# Altium PCB XTRXr5.PcbDoc (part 4 of 5) (continued)
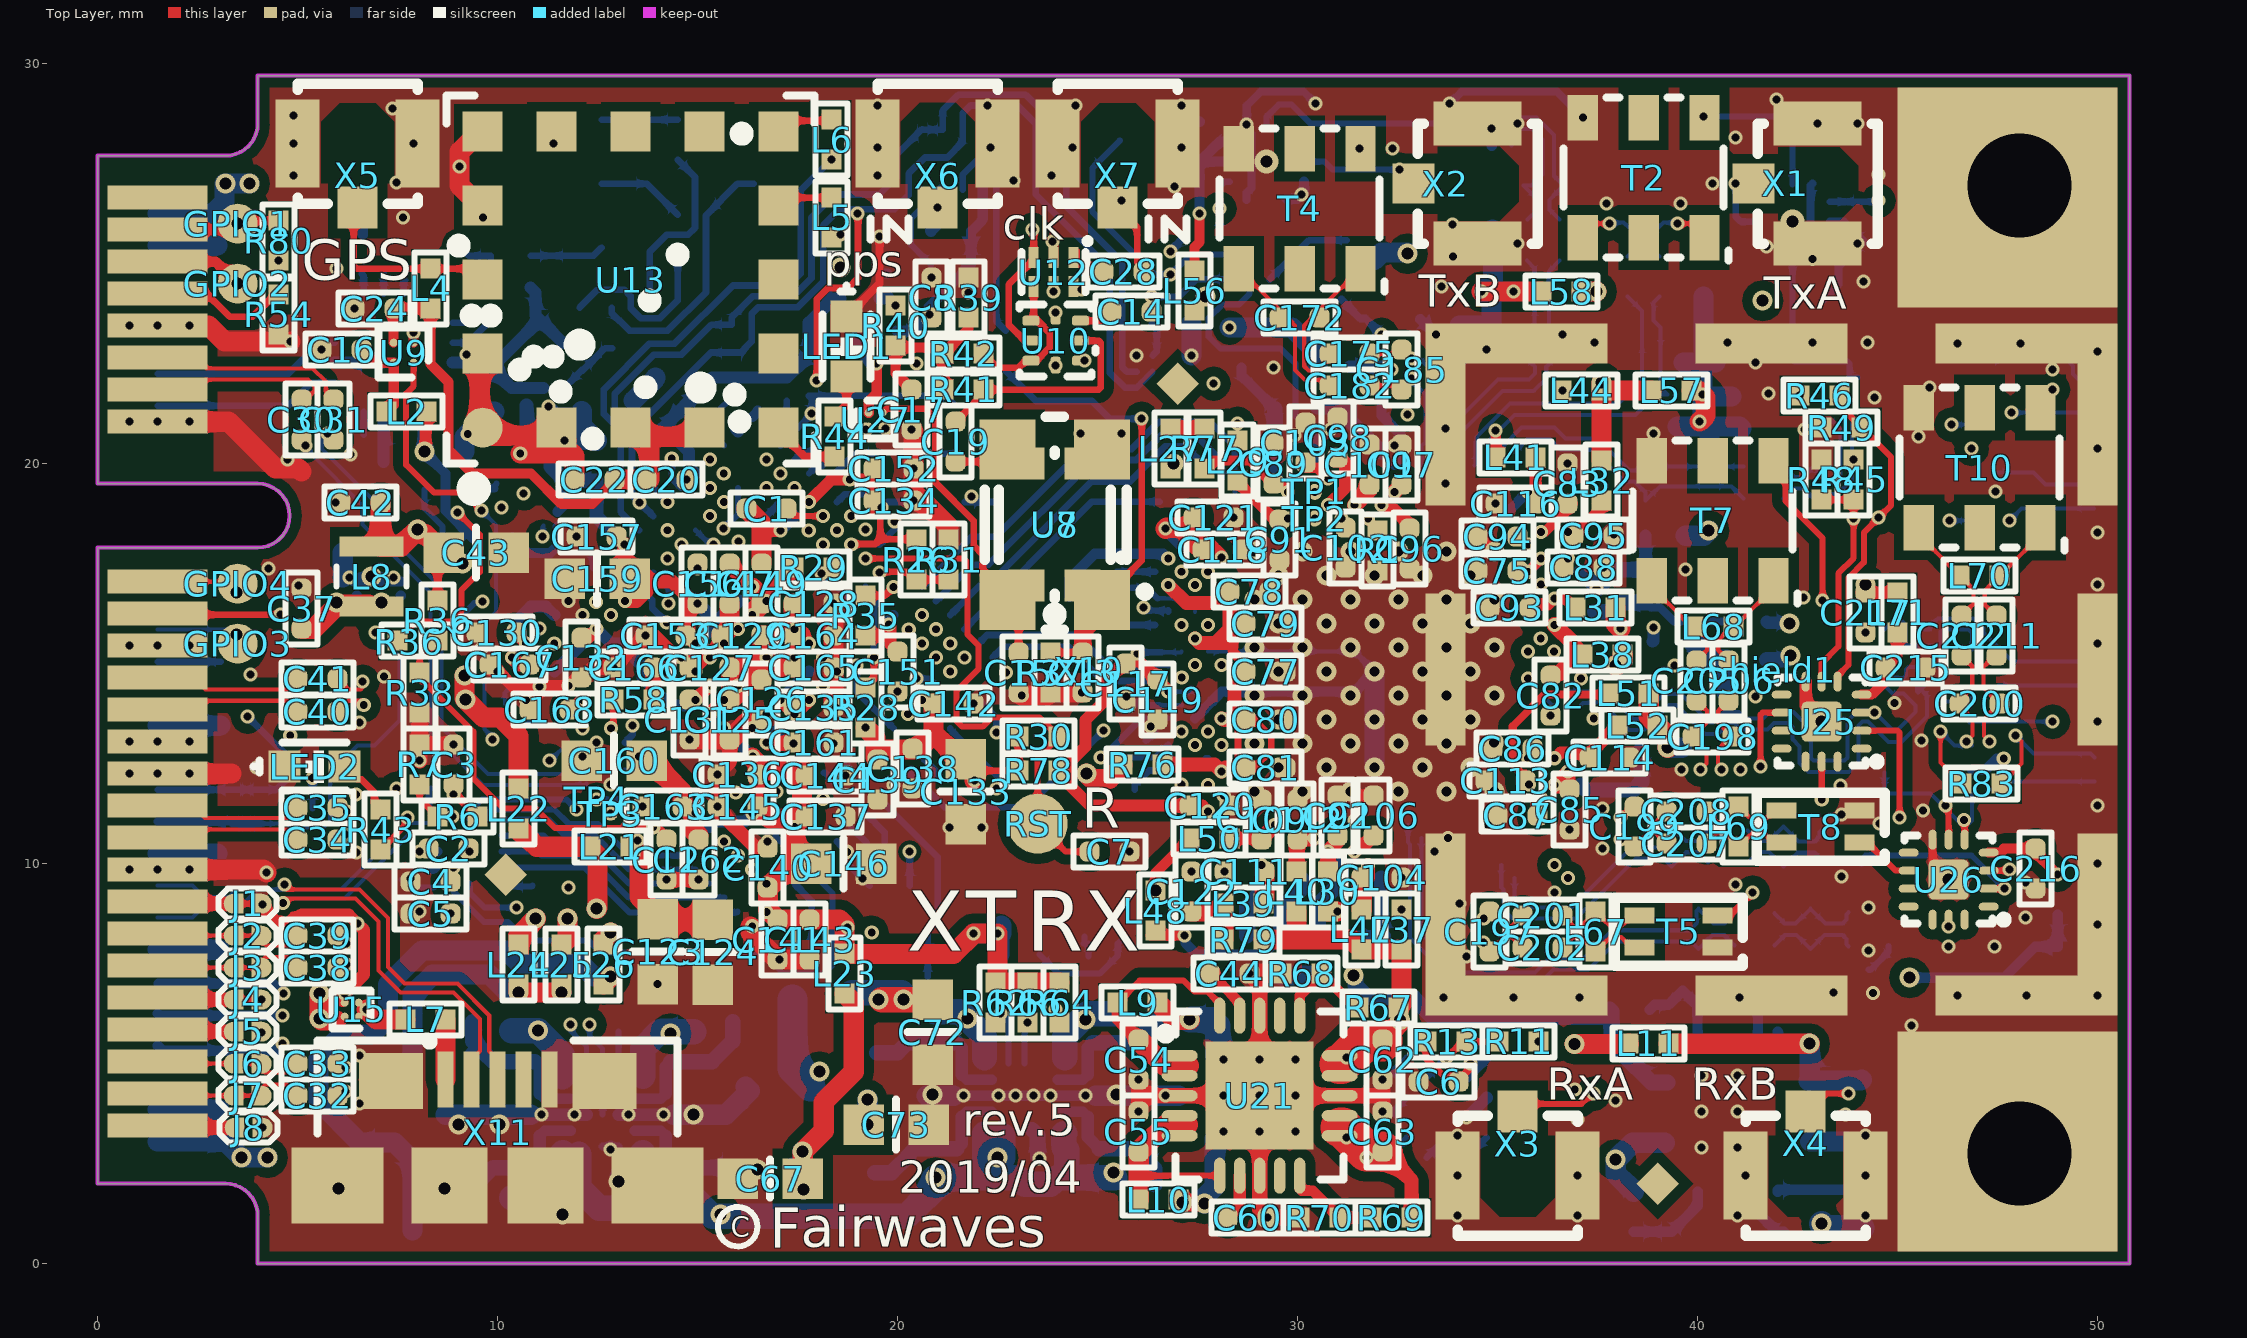
[diagram p0: Top Layer view]
## Nets (pads, with @x,y where several pads share a name; then routed paths per layer and width w, separated by ;. In a path a pad name is that pad's centre, name@x,y a point inside that pad or via, vN(x,y) a via of type N, cw(c..) or ccw(c..) an arc to the next point about the centre after c; other vN are vias at no path point) (continued)
  Bottom Layer w0.254: U29.A2@11.492,18.8 11.675,18.983 C158.1@11.675,19.575
  Bottom Layer w0.35: 10.725,21.45 10.725,20.875 C154.1@10.8,20.8 10.8,20.661 11.327,20.135 11.327,19.923 C158.1@11.675,19.575 C155.1@12.475,19.575 12.475,18.675 13.168,17.982 U1.K1@13.182,17.982 ; U1.J7@14.95,15.507 15.471,16.029 ; v1(15,16.5) 15.471,16.029 ; U1.M7@16.01,16.568 U1.L7@15.657,16.214 ; 15.471,16.029 U1.L7@15.657,16.214 ; 15.471,16.029 U1.L7@15.657,16.214
NetC169_1: C169.1 L55.1 U23.8 U23.9 | length 3.8
  Bottom Layer w0.2: 43.125,24.075 43.525,24.475 43.525,24.925 C169.1@44.15,25.55 ; U23.9@43.305,25.55 U23.9@43.335,25.55 C169.1@44.15,25.55 ; U23.8@43.305,26.05 U23.8@43.335,26.05 43.663,26.05 44.106,25.606 44.156,25.556 44.163,25.55 C169.1@44.15,25.55
NetC170_1: C170.1 L56.1 U24.8 U24.9 | length 4.2
  Top Layer w0.25: 27.425,25.075 27.425,25.421 27.55,25.546 v1(27.55,26.25)
  Bottom Layer w0.25: v1(27.55,26.25) C170.1@27.55,27.55 ; U24.8@28.295,27.55 U24.8@28.265,27.55 C170.1@27.55,27.55 ; U24.9@28.295,28.05 U24.9@28.265,28.05 28.05,28.05 C170.1@27.55,27.55
NetC183_1: C183.1 C189.1 C191.1 C193.2 L57.2 L59.1 L61.1 L63.1 L65.1 | length 8.5
  Top Layer w0.5: L57.2@39.85,21.825 40.025,21.825 v1(40.125,21.725) 40.2,21.65 40.2,21.2 v1(40.05,21.05)
  Bottom Layer w0.5: L65.1@39.5,20.925 39.925,20.925 ; L59.1@39.65,22.525 40.1,22.525 ; C183.1@40.15,24.175 40.15,22.825 C189.1@40.45,22.525 40.1,22.525 ; L63.1@40.3,20.425 40.3,20.925 ; C191.1@40.85,21.675 40.175,21.675 v1(40.125,21.725) ; C193.2@41.1,20.875 41.05,20.925 40.3,20.925 ; 39.925,20.925 40.3,20.925 ; 39.925,20.925 v1(40.05,21.05) v1@40.125,21.125 ; 40.1,22.525 40.125,22.5 v1(40.125,21.725) ; v1@40.125,21.125 40.3,20.95 40.3,20.925 ; v1@40.125,21.125 v1(40.125,21.725)
NetC184_1: C184.1 C190.1 C192.1 C194.2 L58.2 L60.1 L62.1 L64.1 L66.1 | length 7.2
  Top Layer w0.5: v1(34.6,24.3) v1(35.4,24.3) L58.2@36.1,24.3
  Bottom Layer w0.5: L60.1@33.925,22 33.925,22.55 34.053,22.678 34.053,23.447 34.05,23.45 L66.1@34.85,23.45 34.85,24.05 v1(34.6,24.3) ; C184.1@34.875,25.85 34.875,25.058 34.883,25.05 34.883,24.583 v1(34.6,24.3) ; v1(35.4,24.3) v1(34.6,24.3)
NetC215_2: C215.2 L71.1 U25.4 | length 2
  Top Layer w0.25: U25.4@44.1,14.225 44.35,14.225 44.7,14.575 C215.2@44.7,14.9 45,15.2 L71.1@45,15.725
NetC216_2: C216.2 L72.1 U26.4 | length 2.1
  Top Layer w0.25: U26.4@47.275,10.275 47.575,10.275 47.65,10.35 47.65,10.375 C216.2@48.45,10.375 48.45,10.275 v1(49,9.725)
NetC219_2: C219.2 U5.8 | length 0.9
  Bottom Layer w0.15: U5.8@22.125,28.35 22.125,28.2 22.175,28.15 C219.2@22.9,28.15
NetC220_2: C220.2 L74.2 U30.5 | length 8.7
  Layer 3 w0.102: v1(5.375,12.14) 5.775,12.54 5.775,14.553 6.262,15.04 7.33,15.04 8.84,16.55 v1(9.625,16.55)
  Bottom Layer w0.102: L74.2@9.125,16.225 9.142,16.225 L74.2@9.15,16.217
  Bottom Layer w0.15: C220.2@5.375,11.375 v1(5.375,12.14) ; L74.2@9.15,16.217 9.15,16.25 9.411,16.511 9.586,16.511 v1(9.625,16.55)
NetJ5_1: J5.1 X10.45 | length 1.9
  Top Layer w0.35: X10.45@1.5,5.85 1.55,5.8 J5.1@3.4,5.8
NetJ8_1: J8.1 X10.51 | length 1.9
  Top Layer w0.35: X10.51@1.5,3.45 1.55,3.4 J8.1@3.425,3.4
NetJ9_1: J9.1 J9.2 U30.6 X10.30 | length 3.5
  Bottom Layer w0.17: X10.30@1.5,11.85 J9.2@3.375,11.85 J9.2@3.5,11.85 J9.1@3.95,11.85 J9.1@4.075,11.85 4.465,11.85 U30.6@4.815,12.2
NetJ10_1: J10.1 J10.2 U30.4 X10.32 | length 5.7
  Bottom Layer w0.102: J10.1@4.075,11 4.724,11 4.824,10.9 5.643,10.9 5.811,11.068 5.811,12.126 5.885,12.2 U30.4@5.935,12.2
  Bottom Layer w0.2: X10.32@1.5,11.05 3.325,11.05 J10.2@3.375,11 J10.2@3.5,11 J10.1@3.95,11 J10.1@4.075,11
NetL5_2: L5.2 U13.10 | length 1.5
  Top Layer w0.17: U13.10@16.95,26.45 17.15,26.65 L5.2@18.35,26.65
NetL6_2: L6.2 U13.9 | length 1.5
  Top Layer w0.17: U13.9@16.95,28.3 17.225,28.575 18.3,28.575 L6.2@18.35,28.625
NetL7_1: L7.1 X11.1 | length 1.5
  Top Layer w0.5: X11.1@8.7,4.6 L7.1@8.7,6.1
NetL13_1: L13.1 U19.A4 U19.B4 | length 3.9
  Bottom Layer w0.254: U19.B4@13.45,4.125 U19.A4@13.825,4.125 14.075,4.125 14.2,4.25
  Bottom Layer w0.305: 14.2,4.25 14.2,4.925 14.325,5.05
  Bottom Layer w0.381: 14.325,5.05 15.363,5.05 15.875,5.562 L13.1@15.875,6.05
NetL14_1: L14.1 U19.A2 U19.B2 | length 3.1
  Bottom Layer w0.254: U19.B2@13.425,3.325 U19.A2@13.825,3.325 14.075,3.325 14.2,3.2
  Bottom Layer w0.305: 14.2,3.2 14.2,2.691 14.491,2.4
  Bottom Layer w0.381: 14.491,2.4 L14.1@15.875,2.4
NetL15_1: L15.1 U19.F4 U19.G4 | length 3.9
  Bottom Layer w0.254: 11.05,4.25 11.175,4.125 U19.G4@11.425,4.125 U19.F4@11.8,4.125
  Bottom Layer w0.305: 10.925,5.05 11.05,4.925 11.05,4.25
  Bottom Layer w0.381: L15.1@9.375,6.05 9.375,5.562 9.887,5.05 10.925,5.05
NetL16_1: L16.1 U19.F2 U19.G2 | length 3.9
  Bottom Layer w0.254: 11.05,3.2 11.175,3.325 U19.G2@11.425,3.325 U19.F2@11.825,3.325
  Bottom Layer w0.305: 10.925,2.4 11.05,2.525 11.05,3.2
  Bottom Layer w0.381: L16.1@9.375,1.4 9.375,1.888 9.887,2.4 10.925,2.4
NetL17_1: L17.1 U20.A4 U20.B4 | length 3.9
  Bottom Layer w0.254: U20.B4@24,4.6 U20.A4@24.375,4.6 24.625,4.6 24.75,4.725
  Bottom Layer w0.305: 24.75,4.725 24.75,5.4 24.875,5.525
  Bottom Layer w0.381: 24.875,5.525 25.925,5.525 26.45,6.05 L17.1@26.45,6.475
NetL18_1: L18.1 U20.A2 U20.B2 | length 3.7
  Bottom Layer w0.254: U20.B2@24,3.8 U20.A2@24.375,3.8 24.625,3.8 24.75,3.675
  Bottom Layer w0.305: 24.75,3.675 24.75,3.166 25.041,2.875
  Bottom Layer w0.381: 25.041,2.875 25.925,2.875 26.425,2.375 L18.1@26.425,1.975
NetL19_1: L19.1 U20.F4 U20.G4 | length 3.8
  Bottom Layer w0.254: 21.6,4.725 21.725,4.6 U20.G4@21.975,4.6 U20.F4@22.35,4.6
  Bottom Layer w0.305: 21.475,5.525 21.6,5.4 21.6,4.725
  Bottom Layer w0.381: L19.1@19.475,5.275 20,5.275 20.25,5.525 21.475,5.525
NetL20_1: L20.1 U20.F2 U20.G2 | length 4
  Bottom Layer w0.254: 21.6,3.675 21.725,3.8 U20.G2@21.975,3.8 U20.F2@22.35,3.8
  Bottom Layer w0.305: 21.475,2.875 21.6,3 21.6,3.675
  Bottom Layer w0.381: L20.1@19.425,2.275 19.85,2.275 20.233,2.658 20.233,2.671 20.437,2.875 21.475,2.875
NetL54_2: L54.2 U29.A1 | length 1.9
  Bottom Layer w0.254: L54.2@10.375,18.15 10.755,17.77 11.32,17.77 11.53,17.98 11.53,18.395 U29.A1@11.5,18.425
NetLED1_2: LED1.2 R44.1 | length 1.1
  Top Layer w0.203: R44.1@18.425,21.175 18.725,21.475 LED1.2@18.725,22.175
NetLED2_2: LED2.2 R43.2 | length 1.5
  Top Layer w0.17: LED2.2@6.175,12.425 6.49,12.11 6.593,12.11 6.91,11.793 6.91,11.515 R43.2@7.075,11.35
NetR1_1: R1.1 U2.F18 | length 0.3
  Top Layer w0.17: v1@31.764,18.586 R1.1@32,18.35
  other v1: 31.759,18.63
NetR2_2: R2.2 U2.AA33 | length 10.1
  Layer 3 w0.102: v1(20.3,10.3) 20.572,10.572 22.272,10.572 22.55,10.85 25.15,10.85 25.39,11.09 25.39,12.337 v1(25.076,12.651)
  Bottom Layer w0.127: 26.075,13.6 26.117,13.642 26.756,13.642 U2.AA33@26.764,13.634
  Bottom Layer w0.17: R2.2@20.3,9.45 v1(20.3,10.3) ; v1(25.076,12.651) 25.076,12.601 25.101,12.626 26.075,13.6
NetR3_1: R3.1 U2.R29 | length 11.6
  Layer 6 w0.102: v2(21.55,20.25) 25.8,20.25 26.625,19.425 27.45,19.425 28.091,18.784 28.091,18.121 28.426,17.786 28.426,15.963 v2(28.096,15.633)
  Bottom Layer w0.17: R3.1@20.525,20.25 v2(21.55,20.25)
NetR6_2: R6.2 R7.2 U3.E2 | length 1.4
  Top Layer w0.152: R7.2@8.05,11.975 8.05,11.625 R6.2@8.5,11.175 v1(8.875,11.175)
NetR8_2: R8.2 U3.D2 | length 1.5
  Layer 6 w0.102: v2(8.275,11.401) 8.277,11.401 8.277,11.123 8.65,10.75 v8(8.875,10.75)
  Bottom Layer w0.17: v2(8.275,11.401) 8.275,11.825 R8.2@8.325,11.875
NetR9_1: R9.1 U3.A1 | length 1
  Bottom Layer w0.152: R9.1@7.6,9.6 7.8,9.4 8.4,9.4 U3.A1@8.5,9.5
NetR10_1: R10.1 U4'.D2 U4.D2 | length 17.5
  Layer 6 w0.102: v2(18.875,7.85) 19.018,7.707 20.97,7.707 21.423,7.253 22.857,7.253 23.439,6.672 23.807,6.672 23.814,6.678 24.709,6.678 25.088,6.299 26.532,6.299 27.133,5.698 28.652,5.698 29.175,5.175 29.175,3.611 30.561,2.225 31.8,2.225 v2(32.225,2.65)
  Bottom Layer w0.152: v2(32.225,2.65) U4'.D2@32.725,3.15
NetR11_1: R11.1 R13.1 U4'.C4 U4.C4 | length 2.2
  Top Layer w0.152: v1(33.725,5.15) 34.011,5.436 34.111,5.436 R13.1@34.225,5.55 R11.1@35.025,5.55
  Bottom Layer w0.152: U4.C4@33.225,4.65 v1(33.725,5.15)
NetR14_1: R14.1 R17.2 U4'.D4 U4.D4 | length 11.7
  Layer 6 w0.102: v2(25.475,7.675) 26.056,7.094 28.42,7.094 31.014,4.5 32.075,4.5 v2(32.225,4.65)
  Bottom Layer w0.152: R14.1@23.55,7.725 24.025,7.25 25.05,7.25 v2(25.475,7.675) 25.501,7.701 25.501,8.001 R17.2@25.675,8.175 ; v2(32.225,4.65) U4'.D4@32.725,5.15
NetR15_1: R15.1 U2.E5 | length 14.6
  Layer 6 w0.102: v2(31.225,25.587) 32.013,26.375 35.275,26.375 36.275,25.375 36.275,19.15 v2(36.088,18.963)
  Bottom Layer w0.17: R15.1@29.3,24.6 30.287,25.587 v2(31.225,25.587)
NetR16_1: R16.1 U3.A5 | length 0.8
  Bottom Layer w0.15: U3.A5@10.1,9.5 10.175,9.425 10.85,9.425 R16.1@10.875,9.45
NetR18_2: R18.2 U4'.D3 U4.D3 | length 11.3
  Layer 6 w0.102: v2(23.575,7) 24.675,7 25.05,6.625 28.05,6.625 29.418,5.257 29.418,4.267 30.036,3.65 v2(32.225,3.65)
  Bottom Layer w0.152: v2(32.225,3.65) U4'.D3@32.725,4.15
NetR25_2: R25.2 U5.4 | length 2.2
  Bottom Layer w0.15: U5.4@20.625,26.85 20.625,26.425 20.337,26.137 20.337,25.469 R25.2@20.834,24.971
NetR32_1: R32.1 U5.2 | length 5.8
  Bottom Layer w0.17: U5.2@21.625,26.85 21.625,27.224 21.976,27.575 22.301,27.575 22.463,27.412 ; 22.463,27.562 22.463,23.562 R32.1@22.7,23.325
NetR42_1: R42.1 U10.5 U10.7 U12.4 | length 3.8
  Top Layer w0.17: R42.1@22.15,22.725 22.475,22.4 23.025,22.4 23.2,22.575 U10.7@23.33,22.575 ; U10.7@23.325,22.55 23.45,22.55 23.8,22.9 23.8,23.273 23.523,23.55 23.375,23.55 23.4,23.575 U12.4@23.4,24.425
NetR44_2: R44.2 U13.13 | length 1.8
  Top Layer w0.203: U13.13@16.95,20.9 17.675,20.175 R44.2@18.425,20.175
NetR64_2: R64.2 U20.D4 | length 2.1
  Layer 6 w0.152: v8(23.175,4.6) 23.175,5.3 23.95,6.075 v1(23.95,6.35)
NetR67_1: R67.1 R68.1 U21.16 | length 2.6
  Top Layer w0.254: U21.16@30.05,6.2 30.05,6.7 R68.1@30.6,7.25 31.45,6.4 R67.1@31.525,6.4
NetR69_1: R69.1 R70.1 U21.10 | length 2.4
  Top Layer w0.254: U21.10@30.05,2.2 30.05,1.875 30.1,1.825 30.375,1.825 R70.1@31.05,1.15 R69.1@31.85,1.15
NetR71_1: R71.1 R72.1 U22.16 | length 2.2
  Bottom Layer w0.254: R71.1@38.8,6.35 38.923,6.473 39.273,6.473 R72.1@39.625,6.825 39.995,6.455 39.995,5.805 U22.16@40,5.8
NetR73_1: R73.1 R74.1 U22.10 | length 2.2
  Bottom Layer w0.254: R73.1@38.4,0.8 R74.1@39.35,0.8 40,1.45 U22.10@40,1.8
NetT1_1: T1.1 U23.11 | length 4.5
  Bottom Layer w0.152: U23.11@42.375,25.12 U23.11@42.375,25.09 42.375,22.6 42.425,22.55 43.75,22.55 43.8,22.5 43.8,22.15 T1.1@44,22.15
NetT2_4: T2.4 U23.5 | length 3.9
  Bottom Layer w0.152: v1(40.15,28.675) 42.3,28.675 42.375,28.6 U23.5@42.375,27.01 U23.5@42.375,26.98
NetT3_1: T3.1 U24.11 | length 5.9
  Bottom Layer w0.152: U24.11@29.225,28.48 U24.11@29.225,28.51 29.225,28.675 29.525,28.975 29.85,28.975 30.325,28.5 34.25,28.5 34.35,28.6 T3.1@34.35,28.8
NetT4_4: T4.4 U24.5 | length 2.9
  Layer 6 w0.102: v2(29.225,26.45) 30.65,27.875 v1(31.55,27.875)
NetT5_2: T5.2 U25.9 | length 6.2
  Top Layer w0.152: T5.2@40.5,8.7 40.8,8.7 v1(41.375,9.275) ; v1(41.575,12.425) 41.575,13.725 41.625,13.775 U25.9@42.1,13.775
  Layer 6 w0.102: v1(41.375,9.275) 41.375,10.75 41.575,10.95 v1(41.575,12.425)
NetT6_1: T6.1 U25.2 | length 8.4
  Top Layer w0.152: U25.2@44.1,13.325 45,13.325 45.05,13.275 v1(45.05,11.15)
  Layer 6 w0.102: v6(44.275,7.35) 43.873,7.752 43.873,9.248 45.05,10.425 v1(45.05,11.15) v1@45.05,11.153
  Bottom Layer w0.152: v6(44.275,7.35) 44.277,7.348 44.323,7.348 44.773,7.798 T6.1@44.773,7.935
NetT7_4: T7.4 U25.3 | length 7.4
  Top Layer w0.102: T7.4@41.882,20.025 41.895,20.038 T7.4@41.895,20.075
  Top Layer w0.152: T7.4@41.882,20.025 41.882,19.898 42.2,19.58 42.2,19.066 43.125,18.141 v3(43.125,16.575)
  Layer 3 w0.102: v3(43.125,16.575) 43.4,16.3 43.4,14.8 v3(44.425,13.775)
NetT8_1: T8.1 U26.9 | length 1.8
  Top Layer w0.152: T8.1@43.8,10.525 T8.1@44.05,10.525 44.248,10.525 44.948,9.825 U26.9@45.275,9.825
NetT9_1: T9.1 U26.2 | length 4.5
  Top Layer w0.152: U26.2@47.275,9.375 v1(47.675,9.375)
  Bottom Layer w0.152: T9.1@44.1,9.988 44.1,10.1 44.204,10.204 46.846,10.204 v1(47.675,9.375)
NetT10_4: T10.4 U26.3 | length 14.1
  Top Layer w0.152: U26.3@47.275,9.825 47.775,9.825 v1(47.8,9.85) ; T10.4@48.275,21.355 48.327,21.302 v1(48.875,21.85)
  Layer 6 w0.102: v1(47.8,9.85) 49.203,11.253 49.203,21.522 v1(48.875,21.85)
OPTION: R19.1 R85.2 U1.V14 | length 4.3
  Layer 4 w0.102: v1(20.607,16.214) 21.85,17.458 v1(21.85,19.175)
  Bottom Layer w0.17: R19.1@21.675,19.043 22.468,19.043 R85.2@22.475,19.05
PCI_PERST#: R59.1 R63.2 U19.C5 U19.D3 U19.D4 X10.22 | length 35.3
  Layer 6 w0.102: v2(8.625,18.225) 8.225,17.825 8.225,16.288 7.259,15.323 3.348,15.323 3.075,15.05 2.25,15.05 1.95,14.75 1.95,6.95 6.475,2.425 11.75,2.425 12.625,3.3 v8(12.625,3.725)
  Bottom Layer w0.102: U19.D4@12.625,4.125 12.625,4.168 12.982,4.525 U19.C5@13.025,4.525
  Bottom Layer w0.15: R59.1@8.175,19.35 8.175,18.879 8.625,18.429 v2(8.625,18.225)
  Bottom Layer w0.152: v8(12.625,3.725) U19.D4@12.625,4.125 ; U19.C5@13.025,4.525 R63.2@13.025,5.8
  Bottom Layer w0.17: X10.22@1.5,15.05 v6(3.075,15.05)
PCI_REF_CLK1_P: TP3.1 U1.B10 | length 1
  Layer 6 w0.102: v7(12.825,11.25) 13.536,11.961 v2(13.536,11.972)
PCI_REF_CLK1_Ò: TP4.1 U1.A10 | length 0.7
  Bottom Layer w0.127: v7(12.475,11.6) 12.493,11.618 U1.A10@13.182,11.618
PCI_REF_CLK_N: C31.1 X10.11 | length 5.1
  Top Layer w0.102: X10.11@1.5,22.65 2.45,22.65 2.718,22.382 5.376,22.382 5.706,22.051 5.706,21.708 5.699,21.701 5.85,21.55 C31.1@5.9,21.5
PCI_REF_CLK_P: C30.1 X10.13 | length 4.7
  Top Layer w0.102: X10.13@1.5,21.85 2.45,21.85 2.7,22.1 5.259,22.1 5.424,21.935 5.424,21.824 5.15,21.55 C30.1@5.1,21.5
PCI_RX0_N: C35.1 X10.31 | length 3.7
  Top Layer w0.102: X10.31@1.5,11.45 2.375,11.45 2.684,11.141 4.741,11.141 C35.1@5,11.4
PCI_RX0_P: C34.1 X10.33 | length 3.7
  Top Layer w0.102: X10.33@1.5,10.65 2.425,10.65 2.634,10.859 4.741,10.859 C34.1@5,10.6
PCI_RX1_N: C33.1 J6.1 J6.2 X10.47 | length 3.8
  Top Layer w0.102: X10.47@1.5,5.05 1.55,5 J6.1@3.4,5 J6.1@3.525,5 J6.2@3.975,5 ; J6.2@4.075,4.975 4.05,5 J6.2@3.975,5 ; C33.1@5,5 4.775,4.775 4.2,4.775 4.038,4.938 J6.2@3.975,5
PCI_RX1_P: C32.1 J7.1 J7.2 X10.49 | length 3.9
  Top Layer w0.102: X10.49@1.5,4.25 1.55,4.2 J7.1@3.4,4.2 J7.1@3.525,4.2 J7.2@3.975,4.2 J7.2@4.1,4.2 ; J7.2@4.125,4.2 J7.2@4.1,4.2 ; C32.1@5,4.2 4.725,4.475 4.2,4.475 4.1,4.375 J7.2@4.1,4.2
PCI_TX0_N: C41.2 X10.23 | length 3.7
  Top Layer w0.102: X10.23@1.5,14.65 2.404,14.65 X10.23@2.701,14.353 ; X10.23@2.7,14.352 4.727,14.352 C41.2@5,14.625
PCI_TX0_P: C40.2 X10.25 | length 3.7
  Top Layer w0.102: X10.25@1.5,13.85 2.225,13.85 2.448,14.073 4.727,14.073 C40.2@5,13.8
PCI_TX1_N: C39.2 J2.1 J2.2 X10.39 | length 3.9
  Top Layer w0.102: X10.39@1.5,8.25 1.55,8.2 J2.1@3.4,8.2 J2.1@3.525,8.2 J2.2@3.975,8.2 ; J2.2@4.125,8.2 J2.2@4.1,8.2 J2.2@3.975,8.2 ; C39.2@5,8.2 4.75,7.95 4.225,7.95 4.038,8.137 J2.2@3.975,8.2
PCI_TX1_P: C38.2 J3.1 J3.2 X10.41 | length 3.8
  Top Layer w0.102: X10.41@1.5,7.45 1.55,7.4 J3.1@3.4,7.4 J3.1@3.525,7.4 J3.2@3.975,7.4 4.05,7.4 J3.2@4.075,7.375 ; J3.2@4.1,7.4 4.1,7.575 4.193,7.668 4.732,7.668 C38.2@5,7.4
PERST#: R59.2 R60.2 U1.T3 | length 9
  Layer 3 w0.102: v1(9.575,19.35) 9.807,19.582 13.457,19.582 13.878,19.161 13.878,18.942 14.137,18.684 14.791,18.684 15.114,18.361 15.636,18.361 v1(15.65,18.375)
  Bottom Layer w0.15: R59.2@9.175,19.35 v1(9.575,19.35) R60.2@9.825,19.35 ; R60.2@9.975,19.5 R60.2@9.9,19.425 ; R60.2@9.825,19.35 9.925,19.35 9.95,19.375 R60.2@9.9,19.425 ; R60.2@9.825,19.35 R60.2@9.9,19.425
  Bottom Layer w0.152: v1(15.65,18.375) 16.011,18.736 16.011,19.189 ; 16.01,19.189 U1.T3@16.01,19.396
PLL_CLK: C14.2 R15.2 | length 2.5
  Top Layer w0.17: C14.2@26.35,23.8 v1@26.35,24.05
  Bottom Layer w0.17: v1(26.35,24.175) 27.034,24.175 27.471,24.612 28.384,24.612 R15.2@28.425,24.57
R0_N: C35.2 U1.A6 | length 13.9
  Top Layer w0.102: C35.2@6,11.4 6.1,11.3 6.25,11.3 6.243,11.307 v1(6.227,11.307)
  Layer 3 w0.102: v1@6.25,11.3 6.369,11.181 6.389,11.181 ; 6.39,11.18 6.592,11.18 7.225,10.547 7.225,8.95 7.658,8.516 7.658,7.345 7.979,7.025 9.05,7.025 9.257,7.232 9.257,9.428 9.645,9.816 9.645,11.22 10.875,12.45 11.175,12.45 v1(11.301,12.576)
  Bottom Layer w0.102: v1@11.3,12.6 v1@11.3,12.65 ; v1(11.301,12.576) v1@11.301,12.6 ; v1@11.301,12.649 v1@11.301,12.6 ; U1.A6@11.768,13.032 11.336,12.6 v1@11.301,12.6
R0_P: C34.2 U1.B6 | length 14.9
  Top Layer w0.102: C34.2@6,10.6 6.075,10.6 v1(6.2,10.726) v1@6.25,10.775
  Layer 3 w0.102: v1@6.25,10.775 6.325,10.85 6.455,10.85 6.895,10.41 6.895,8.813 7.328,8.379 7.328,7.209 7.842,6.695 9.187,6.695 9.587,7.095 9.587,9.291 9.975,9.679 9.975,11.083 11.012,12.12 11.489,12.12 11.756,12.387 11.756,12.764 11.707,12.813 11.707,12.957 v1(12.125,13.375)
R1_N: C33.2 U1.A4 | length 14.2
  Top Layer w0.102: C33.2@6,5 C33.2@6.125,4.875
  Layer 6 w0.102: v1(6.2,4.9) 6.335,4.765 6.675,4.765 7.025,5.115 7.025,6.186 7.053,6.214 7.053,6.486 7.025,6.514 7.025,11.344 6.791,11.577 6.791,12.123 7.419,12.75 9.617,12.75 10.037,12.33 10.288,12.33 10.55,12.592 10.55,13.042 10.756,13.248 10.756,13.3 ; v6(10.65,13.525) 10.756,13.419 10.756,13.313
  Bottom Layer w0.102: v6(10.65,13.525) 10.846,13.525 U1.A4@11.061,13.739
R1_P: C32.2 U1.B4 | length 14.9
  Top Layer w0.102: C32.2@6,4.2 C32.2@6.1,4.3
  Layer 6 w0.102: v1(6.2,4.3) 6.335,4.435 6.812,4.435 7.355,4.978 7.355,6.049 7.384,6.077 7.384,6.623 7.355,6.651 7.355,11.48 7.122,11.714 7.122,11.986 7.606,12.471 9.429,12.471 9.9,12 10.425,12 10.88,12.455 10.88,12.905 11.086,13.111 11.086,13.736 11.414,14.064 v6(11.414,14.093)
R_SW1: R46.1 U1.K3 | length 34.9
  Layer 3 w0.102: v1(14.275,16.5) 14.65,16.125 15.117,16.125 15.804,16.812 15.804,17.175 16.425,17.797 16.425,18.739 15.983,19.181 15.983,20.52 16.337,20.875 18.033,20.875 18.829,21.672 28.618,21.672 28.743,21.797 35.585,21.797 36.464,22.675 40.825,22.675 41.375,22.125 42.125,22.125 v3(42.55,21.7)
  Bottom Layer w0.17: U1.K3@13.889,17.275 14.275,16.889 v1(14.275,16.5)
R_SW2: R45.1 U1.J3 | length 36.9
  Layer 3 w0.102: v1(14.226,16.026) 14.401,15.85 15.224,15.85 16.007,16.633 16.007,17.031 16.675,17.699 16.675,18.825 16.186,19.314 16.186,20.375 16.482,20.672 18.117,20.672 18.898,21.453 28.855,21.453 28.995,21.593 35.67,21.593 36.504,22.427 40.498,22.427 42.825,20.1 43.7,20.1
  Bottom Layer w0.17: U1.J3@13.536,16.921 13.862,16.594 13.862,16.389 v1(14.226,16.026)
  other v3: 43.9,20.1
RAH_N: C204.2 C213.1 T6.3 | length 2.4
  Bottom Layer w0.102: C204.2@41.923,7.96 42.183,8.221 42.475,8.221 C213.1@42.823,7.873 43.171,8.221 43.623,8.221 43.722,8.121 43.722,7.986 T6.3@43.773,7.935
RAH_P: C203.2 C213.2 T6.4 | length 2.5
  Bottom Layer w0.102: C203.2@41.923,8.76 42.183,8.5 42.45,8.5 C213.2@42.823,8.873 43.196,8.5 43.623,8.5 43.722,8.599 43.722,8.734 T6.4@43.773,8.785
RAL_N: C202.1 L67.2 T5.4 | length 2.4
  Top Layer w0.102: C202.1@36.625,7.9 36.885,8.16 37.09,8.16 L67.2@37.45,7.8 37.81,8.16 38.09,8.16 38.35,7.9 T5.4@38.55,7.9
RAL_P: C201.1 L67.1 T5.3 | length 2.4
  Top Layer w0.102: C201.1@36.625,8.7 36.885,8.44 37.09,8.44 L67.1@37.45,8.8 37.81,8.44 38.09,8.44 38.35,8.7 T5.3@38.55,8.7
RAW_N: C206.2 L68.2 T7.1 | length 2.7
  Top Layer w0.102: C206.2@40.775,15.075 40.515,15.335 40.515,15.59 40.951,16.026 41.023,16.026 41.9,16.902 T7.1@41.9,17.062
RAW_P: C205.2 L68.1 T7.2 | length 2.7
  Top Layer w0.102: T7.2@38.855,17.075 38.855,16.911 39.74,16.026 39.849,16.026 40.235,15.64 40.235,15.335 C205.2@39.975,15.075
RBH_N: C210.2 C214.1 T9.3 | length 2.4
  Bottom Layer w0.102: C210.2@41.254,10.029 41.512,10.287 41.788,10.287 C214.1@42.15,9.925 42.498,10.273 42.925,10.273 43.049,10.149 43.049,10.117 43.057,10.109 43.057,10.031 T9.3@43.1,9.988
RBH_P: C209.2 C214.2 T9.4 | length 2.4
  Bottom Layer w0.102: C209.2@41.25,10.825 41.508,10.567 41.792,10.567 C214.2@42.15,10.925 42.523,10.552 42.925,10.552 43.049,10.677 43.049,10.787 T9.4@43.1,10.838
RBL_N: C208.1 L69.2 T8.3 | length 2.4
  Top Layer w0.102: C208.1@40.225,11.3 40.485,11.04 40.64,11.04 L69.2@41.025,11.425 41.385,11.065 41.64,11.065 41.9,11.325 T8.3@42.1,11.325
RBL_P: C207.1 L69.1 T8.4 | length 2.4
  Top Layer w0.102: C207.1@40.225,10.5 40.485,10.76 40.69,10.76 L69.1@41.025,10.425 41.385,10.785 41.64,10.785 41.9,10.525 T8.4@42.1,10.525
RBW_N: C212.2 L70.2 T10.2 | length 2.8
  Top Layer w0.102: T10.2@45.78,18.4 45.78,17.97 L70.2@46.55,17.2 46.898,16.852 46.898,16.498 C212.2@46.6,16.2
RBW_P: C211.2 L70.1 T10.1 | length 2.8
  Top Layer w0.102: C211.2@47.475,16.175 47.177,16.473 47.177,16.827 L70.1@47.55,17.2 48.32,17.97 T10.1@48.32,18.4
RX_EN: U1.W18 U2.V34 | length 4.6
  Bottom Layer w0.17: U1.W18@22.374,15.154 22.646,15.425 24.275,15.425 25.134,14.566 26.363,14.566 U2.V34@26.431,14.634
RX_SW1: R46.2 R49.2 U25.5 U26.5 | length 19.2
  Top Layer w0.152: U25.5@43.5,14.55 43.5,14.7 43.77,14.97 43.77,17.15 44.154,17.534 44.154,18.279 v3(44.525,18.65) 44.835,18.96 44.835,20.165 R49.2@44.1,20.9 43.55,21.45 R46.2@43.55,21.7 ; v3(46.653,11.096) 46.675,11.074 U26.5@46.675,10.6
  Layer 3 w0.102: v3(44.525,18.65) 44.541,18.634 44.853,18.634 48.547,14.941 48.547,12.522 47.121,11.096 v3(46.653,11.096)
RX_SW2: R45.2 R48.2 U25.6 U26.6 | length 17.4
  Top Layer w0.152: U25.6@43.1,14.55 43.1,15.013 43.516,15.429 43.516,17.255 43.9,17.639 v3(43.9,18.633) R45.2@43.9,19.1 R48.2@43.1,19.1 ; v3(46.2,11.45) 46.275,11.375 U26.6@46.275,10.6
  Layer 3 w0.102: v3(43.9,18.633) 44.233,18.3 44.9,18.3 48.343,14.857 48.343,12.668 47.125,11.45 v3(46.2,11.45)
RXA: U25.13 X3.1 | length 12.8
  Top Layer w0.152: X3.1@35.5,3.8 35.696,3.996 37.092,3.996 37.346,4.25 v3(37.4,4.25) ; U25.13@43.1,12.55 43.075,12.525 43.102,12.498 v3(43.102,11.601)
  Layer 3 w0.102: v3(37.4,4.25) 37.4,4.3 43.102,10.002 v3(43.102,11.601)
RXAH_N: C195.1 C204.1 U2.AJ15 | length 12.2
  Bottom Layer w0.102: U2.AJ15@32.758,10.971 32.758,10.538 32.811,10.484 32.811,8.139 33.95,7 36.05,7 36.4,7.35 37.265,7.35 37.97,8.056 39.84,8.056 C195.1@40.023,7.873 40.371,8.221 40.662,8.221 C204.1@40.923,7.96
RXAH_P: C195.2 C203.1 U2.AK14 | length 11.7
  Bottom Layer w0.102: U2.AK14@33.091,10.638 33.091,8.255 34.066,7.279 35.934,7.279 36.284,7.629 37.149,7.629 37.855,8.335 39.798,8.335 39.972,8.509 39.972,8.822 C195.2@40.023,8.873 40.396,8.5 40.662,8.5 C203.1@40.923,8.76
RXAL_N: C197.1 C202.2 U2.AM12 | length 4.3
  Top Layer w0.102: C197.1@34.8,7.8 35.16,8.16 35.365,8.16 C202.2@35.625,7.9
  Layer 6 w0.102: v6(33.757,9.972) 33.757,9.948 33.245,9.437 33.245,8.638 33.858,8.025 v1(34.65,8.025)
RXAL_P: C197.2 C201.2 U2.AN11 | length 3.6
  Top Layer w0.102: C197.2@34.8,8.8 35.16,8.44 35.365,8.44 C201.2@35.625,8.7
  Layer 6 w0.102: v6(34.09,9.639) 33.914,9.639 33.575,9.3 33.575,8.775 33.995,8.355 34.405,8.355 v1@34.65,8.6
  other v1: 34.652,8.625
RXAW_N: C198.1 C206.1 U2.AP10 | length 14.6
  Top Layer w0.102: v1(40.6,12.35) 40.6,12.412 40.504,12.508 40.504,12.854 40.825,13.175 C198.1@40.875,13.175 ; C206.1@40.775,14.075 40.515,13.815 40.515,13.535 C198.1@40.875,13.175 ; C198.1@40.875,13.15 C198.1@40.875,13.175
  Layer 6 w0.102: v6@34.438,9.321 35.333,8.425 37.555,8.425 37.7,8.57 37.777,8.57 ccw(c37.777,9.134) 38.341,9.134 cw(c38.777,9.134) 39.212,9.134 39.212,9.085 ccw(c39.727,9.085) 39.727,8.57 40.012,8.57 40.49,9.048 40.49,10.375 ccw(c39.924,10.375) 39.924,10.941 39.787,10.941 cw(c39.787,11.177) 39.787,11.412 39.924,11.412 ccw(c39.924,11.978) 40.49,11.978 40.49,12.24 v1(40.6,12.35)
  other v6: 34.423,9.306
RXAW_P: C198.2 C205.1 U2.AN9 | length 13.8
  Top Layer w0.102: C205.1@39.975,14.075 40.235,13.815 40.235,13.535 C198.2@39.875,13.175 40.225,12.825 40.225,12.5 v1(40.075,12.35)
  Layer 6 w0.102: v6(34.756,9.639) 34.756,9.47 35.475,8.75 37.425,8.75 37.575,8.9 37.777,8.9 ccw(c37.777,9.134) 38.011,9.134 cw(c38.777,9.134) 39.542,9.134 39.542,9.085 ccw(c39.727,9.085) 39.727,8.9 39.875,8.9 40.16,9.185 40.16,10.375 ccw(c39.924,10.375) 39.924,10.611 39.787,10.611 cw(c39.787,11.177) 39.787,11.742 39.924,11.742 ccw(c39.924,11.978) 40.16,11.978 40.16,12.265 v1(40.075,12.35)
RXB: U26.13 X4.1 | length 8.1
  Top Layer w0.152: X4.1@42.7,3.8 42.775,3.8 43.225,4.25 v3(43.775,4.25) ; v3(46.275,8.425) U26.13@46.275,8.6
  Layer 3 w0.102: v3(43.775,4.25) 43.775,8.4 43.8,8.425 v3(46.275,8.425)
RXBH_N: C196.1 C210.1 U2.AM8 | length 7.3
  Bottom Layer w0.102: U2.AM8@35.089,9.972 35.089,9.411 35.142,9.358 35.142,8.852 35.37,8.625 36.958,8.625 38.326,9.992 ; 38.327,9.992 38.462,10.128 39.148,10.128 ; 39.141,10.121 39.148,10.128 ; C210.1@40.254,10.029 39.998,10.285 39.71,10.285 C196.1@39.35,9.925 39.148,10.128
RXBH_P: C196.2 C209.1 U2.AN7 | length 6.7
  Bottom Layer w0.102: U2.AN7@35.422,9.639 35.422,8.968 35.485,8.904 36.843,8.904 38.21,10.272 ; 38.211,10.272 38.346,10.407 39.032,10.407 39.35,10.725 C196.2@39.35,10.925 39.71,10.565 39.99,10.565 C209.1@40.25,10.825
RXBL_N: C199.1 C208.2 U2.AP6 | length 6
  Top Layer w0.102: v1(38.075,11.15) 38.35,11.425 C199.1@38.425,11.425 38.803,11.047 38.972,11.047 C208.2@39.225,11.3
  Layer 6 w0.102: v6(35.755,9.306) 35.669,9.306 35.22,9.755 35.22,10.304 35.962,11.047 37.948,11.047 38.075,11.174 v1(38.075,11.15)
RXBL_P: C199.2 C207.2 U2.AN5 | length 5.2
  Top Layer w0.102: v1(38.075,10.6) 38.143,10.6 38.195,10.548 38.302,10.548 C199.2@38.425,10.425 38.767,10.767 38.958,10.767 C207.2@39.225,10.5
  Layer 6 w0.102: v6(36.088,9.639) 35.811,9.639 35.55,9.9 35.55,10.168 36.099,10.716 37.959,10.716 v1(38.075,10.6)
RXBW_N: C200.2 C212.1 U2.AM4 | length 14.8
  Top Layer w0.102: C212.1@46.6,15.2 46.864,14.936 46.864,14.406 46.672,14.214 46.718,14.168 C200.2@46.55,14 46.55,13.937 46.875,13.612 46.875,13.2 v3(46.725,13.05)
  Layer 3 w0.102: v1(36.421,9.972) 36.52,9.972 36.687,10.138 36.783,10.235 37.207,10.235 37.304,10.138 37.467,9.975 38.125,9.975 39.275,11.125 40.975,11.125 42.55,12.7 46.775,12.7 46.85,12.775 46.85,12.925 v3(46.725,13.05)